# Altium PCB 飞控一体板.PcbDoc (part 1 of 2)
Units mil, origin at the board's own origin, x right, y up, seen from the top; angles counter-clockwise.
Board outline 2755.91 x 1968.5 mil, 2 copper layers (Top Layer, Bottom Layer); 100 components, 65 nets, 378 pads, 69 vias.
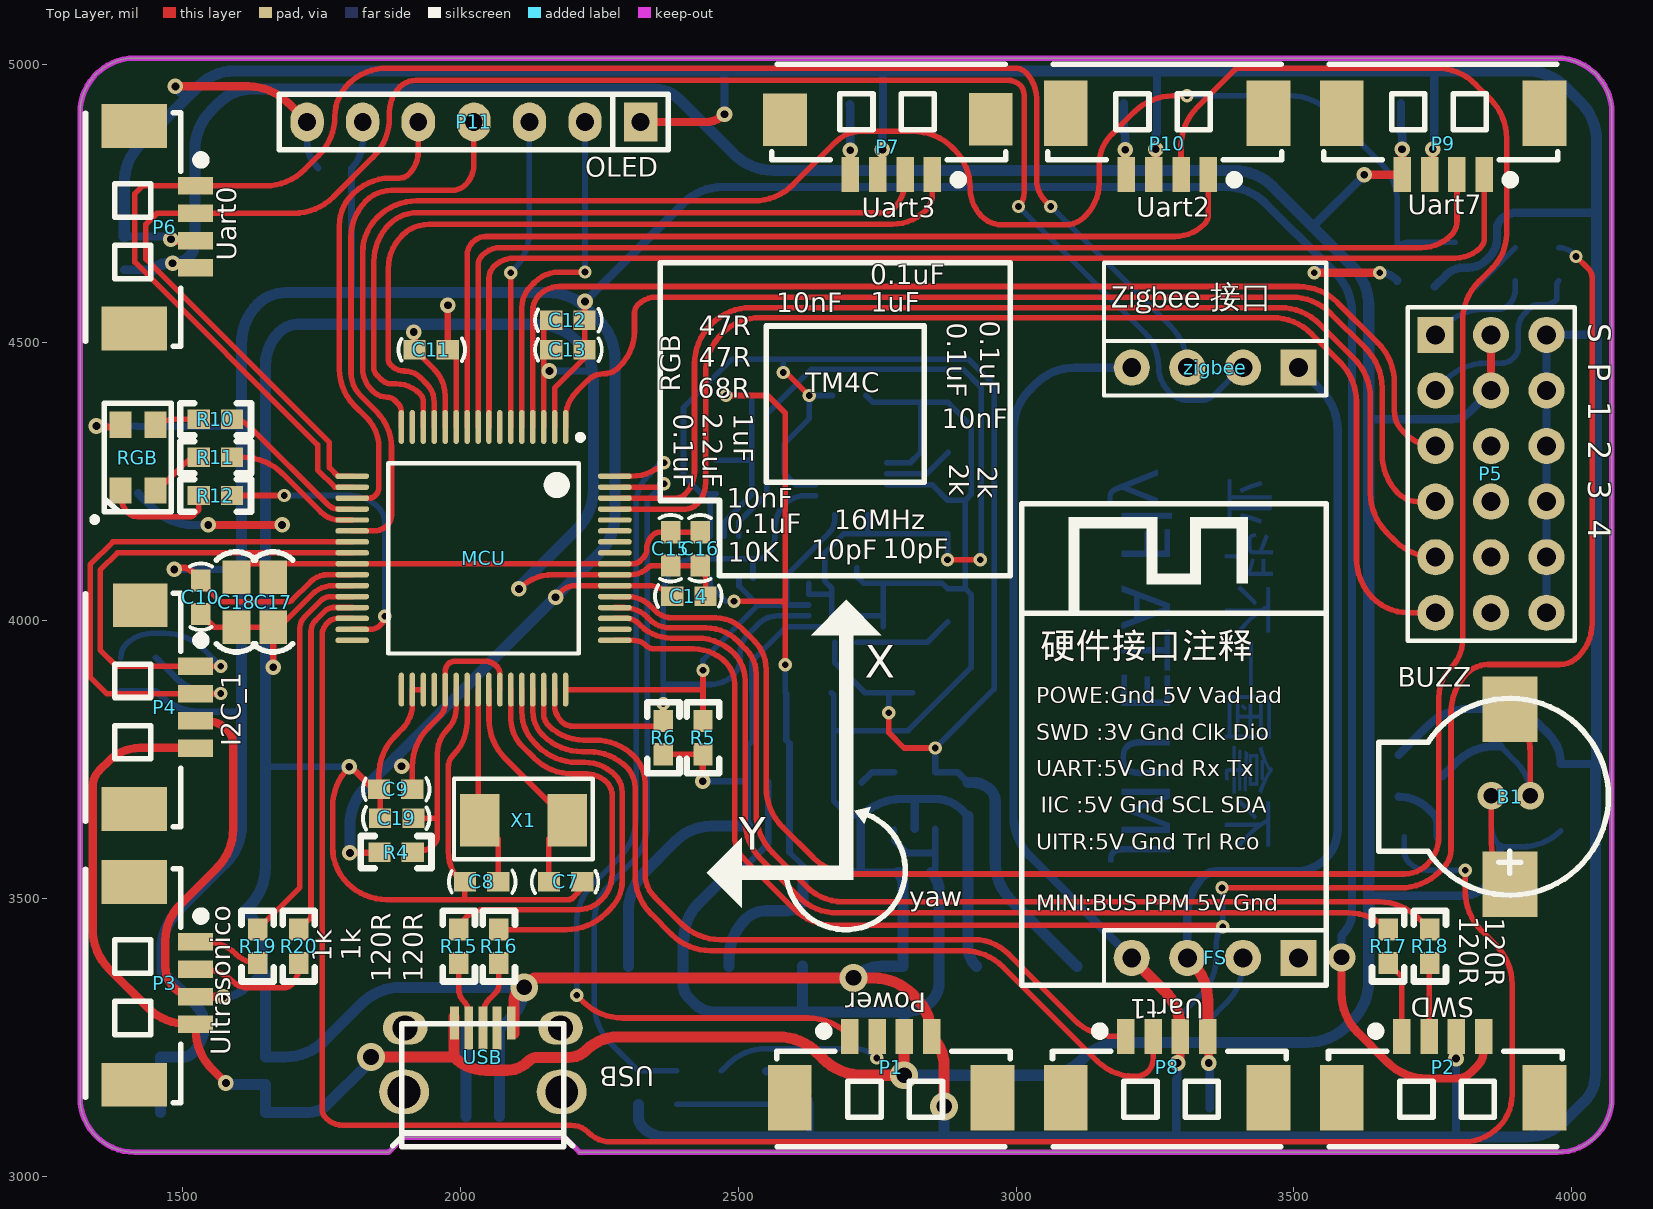
[diagram p0: Top Layer view]
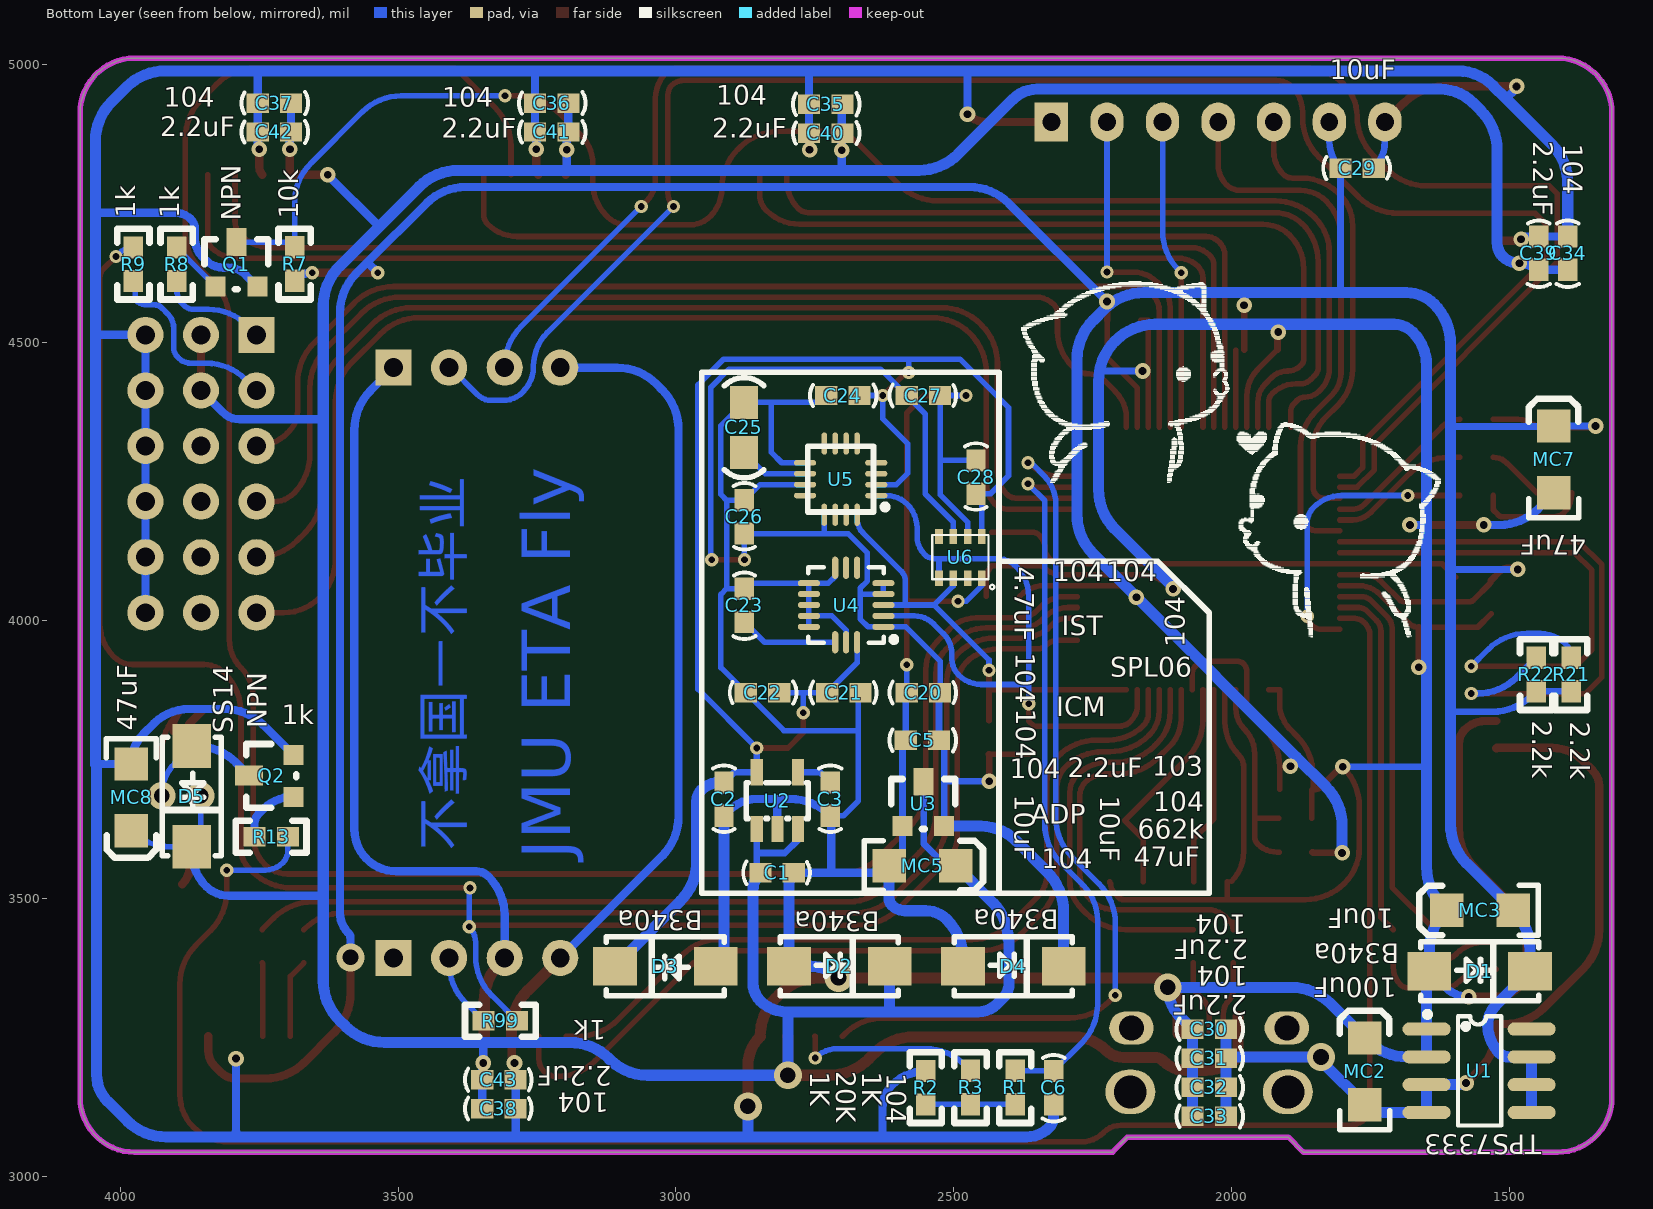
[diagram p1: Bottom Layer view, seen from below]

## Layer stack, top to bottom
Top Solder: solder mask 0.4, Solder Resist, Dk 3.5
Top Layer: signal copper 1.4
Dielectric 1: dielectric 12.6, FR-4, Dk 4.8
Bottom Layer: signal copper 1.4
Bottom Solder: solder mask 0.4, Solder Resist, Dk 3.5

## Board outline
3973.57,5011.94 cw(c3973.57,4913.52) 4072,4913.52 4072,3141.87 cw(c3973.57,3141.87) 3973.57,3043.44 2214.5,3043.44 2214.5,3044 2187.94,3070.56 1898.06,3070.56 1871.5,3044 1870.94,3043.44 1414.52,3043.44 cw(c1414.52,3141.87) 1316.09,3141.87 1316.09,4913.52 cw(c1414.52,4913.52) 1414.52,5011.94

## Design rules (kind name [scope] priority, off if disabled: settings)
Clearance [All] p1: gap=8
PolygonConnect [All] p1: connectstyle=Relief reliefconductorwidth=10 reliefentries=4 polygonreliefangle="90 Angle" airgapwidth=10
RoutingVias [All] p1: holewidth=28 width=50 viastyle="Through Hole" minholewidth=12 minwidth=24 maxholewidth=28 maxwidth=50
SolderMaskExpansion [All] p1: expansion=4
Width [All] p1: maxlimit=50 minlimit=10 preferedwidth=10 minimp=50.000000 maximp=50.000000 favimp=50.000000
30 further rules are at their usual default settings.

## Components (designator, comment, footprint, x,y, rotation, side; value= is the part's Value field where it differs from the comment)
B1 "BUZZ" MLT-9032 3888.5,3683 r270 top locked
C1 "104" 0603C 2885.05,3264.48 r0 bottom
C2 "10uF" 0603C 3195.55,3745.68 r90 bottom
C3 "10uF" 0603C 3004.25,3745.68 r90 bottom
C5 "104" 0603C 2489.75,4066.68 r180 bottom
C6 "104" 0603C 2038.5,3092.5 r270 bottom
C7 "10pF" 0603C 2122.5,3248 r180 top
C8 "10pF" 0603C 2105.5,3812 r0 top
C9 "10nF" 0603C 1950.75,3978.38 r0 top
C10 "0.1uF" 0603C 1251.5,4109 r90 top
C11 "10nF" 0603C 2014.75,4769.38 r0 top
C12 "0.1uF" 0603C 2260.75,4822.38 r0 top
C13 "1uF" 0603C 2260.75,4769.38 r0 top
C14 "10nF" 0603C 2344.5,3762 r180 top
C15 "0.1uF" 0603C 2096.5,4196 r90 top
C16 "0.1uF" 0603C 2149.5,4196 r90 top
C17 "1uF" 0805C 1663.5,3993 r90 top
C18 "2.2uF" 0805C 1597.5,3993 r90 top
C19 "0.1uF" 0603C 1818.75,3362.38 r180 top
C20 "103" 0603C 2621.75,3588.38 r0 bottom
C21 "2.2uF" 0603C 2764.75,3588.38 r0 bottom
C22 "104" 0603C 2777.25,4152.38 r180 bottom
C23 "104" 0603C 2594.75,3960.38 r270 bottom
C24 "104" 0603C 2632.75,4686.88 r180 bottom
C25 "4.7uF" 0805C 2877.75,4387.38 r270 bottom
C26 "104" 0603C 3158.75,4253.47 r90 bottom
C27 "104" 0603C 2621.75,4122.88 r0 bottom
C28 "104" 0603C 2742.15,4325.18 r90 bottom
C29 "10uF" 0603C 1841.5,4532 r0 bottom
C30 "104" 0603C 1973.5,3546.75 r180 bottom
C31 "2.2uF" 0603C 1973.5,3494.5 r180 bottom
C32 "104" 0603C 1973.5,3442.25 r180 bottom
C33 "2.2uF" 0603C 1973.5,3390 r180 bottom
C34 "104" 0603C 1113.5,4594 r270 bottom
C35 "104" 0603C 2663.5,5211 r180 bottom
C36 "104" 0603C 3156.5,5213 r180 bottom
C37 "104" 0603C 3655.5,5213 r180 bottom
C38 "104" 0603C 3385.5,2840 r0 bottom
C39 "2.2uF" 0603C 1165.5,4594 r270 bottom
C40 "2.2uF" 0603C 2663.5,5159 r180 bottom
C41 "2.2uF" 0603C 3156.5,5161 r180 bottom
C42 "2.2uF" 0603C 3655.5,5161 r180 bottom
C43 "2.2uF" 0603C 3385.5,2892 r0 bottom
D1 "B340a" SMA/DO-214AC 1637.5,3368 r180 bottom
D2 "B340a" SMA/DO-214AC 2789.55,3377 r180 bottom
D3 "B340a" SMA/DO-214AC 2935.5,3379 r0 bottom
D4 "B340a" SMA/DO-214AC 2476.5,3377 r180 bottom
D5 "SS14" SMA/DO-214AC 3872.13,3767.1 r270 bottom
FS "富斯mini" FSmini 3302.5,3659 r0 top locked
MC2 "100uF" TAJ-A 1760.5,3249 r90 bottom
MC3 "10uF" TAJ-A 1613.5,3479 r0 bottom
MC5 "47uF" TAJ-A 2496.45,3558.98 r180 bottom
MC7 "47uF" TAJ-A 1420.5,4350 r90 bottom
MC8 "47uF" TAJ-A 3980.13,3622 r270 bottom
MCU "TM4C" LQFP64 2041.75,4112.38 r270 top locked
P1 "Power" MX1.25WS-4P#1 2775.14,3141.35 r0 top locked
P2 "SWD" MX1.25WS-4P#1 3768.14,3141.35 r0 top locked
P3 "Ultrasonico" MX1.25WS-4P#1 1413.5,3347.36 r270 top locked
P4 "I2C_1" MX1.25WS-4P#2 1413.5,3843.5 r270 top locked
P5 "Header 6x3" "Hearder 6x3" 3754.44,4514 r0 top locked
P6 "Uart0" MX1.25WS-4P#1 1413.5,4707.64 r270 top locked
P7 "Uart3" MX1.25WS-4P#3 2775.14,4913 r180 top locked
P8 "Uart1" MX1.25WS-4P#1 3271.64,3141.35 r0 top locked
P9 "Uart7" MX1.25WS-4P#1 3768.14,4913 r180 top
P10 "Uart2" MX1.25WS-4P#1 3271.64,4913 r180 top locked
P11 "OLED" Fe-HDR1X7/2.54-S 2324.5,4897 r270 top
Q1 "NPN" SOT-23 3825.67,4606.16 r180 bottom
Q2 "NPN" SOT-23 3693.29,3685.52 r90 bottom
R1 "1K" 0603R 2388.57,3188 r270 bottom
R2 "1K" 0603R 2551.5,3131.43 r90 bottom
R3 "20K" 0603R 2469.03,3188 r270 bottom
R4 "10K" 0603R 1912.75,3582.38 r180 top
R5 "2k" 0603R 2437.75,3817.38 r270 top
R6 "2k" 0603R 2366.35,3817.38 r270 top
R7 "10k" 0603R 3685.07,4669.57 r270 bottom
R8 "1k" 0603R 3899.18,4613 r90 bottom
R9 "1k" 0603R 3977.18,4613 r90 bottom
R10 "47R" 0603R 1531.5,4363 r0 top
R11 "47R" 0603R 1531.5,4294.5 r0 top
R12 "68R" 0603R 1531.5,4226 r0 top
R13 "1k" 0603R 3700.13,3610 r0 bottom
R15 "120R" 0603R 1996.5,3386 r90 top
R16 "120R" 0603R 2068.5,3386 r90 top
R17 "120R" 0603R 3668.5,3386 r90 top
R18 "120R" 0603R 3743.5,3386 r90 top
R19 "1k" 0603R 1634.5,3386 r90 top
R20 "1k" 0603R 1708.5,3386 r90 top
R21 "2.2k" 0603R 1388.5,3931 r270 bottom
R22 "2.2k" 0603R 1451.5,3931 r270 bottom
R99 "1k" 0603R 3344,3281 r180 bottom
RGB "RGB" RGB-3528 1450.5,4351 r270 top locked
U1 "TPS7333" SOP-8 1648.01,3264 r180 bottom
U2 "ADP" SOT-23-5 2816.65,3671.88 r180 bottom
U3 "662k" SOT-23 2589.93,3635.24 r180 bottom
U4 "ICM" LGA-16 2691.75,4027.38 r0 bottom locked
U5 "IST" LGA16 2706.53,4250.5 r0 bottom locked
U6 "SPL06" LGA8 2484.07,4115.67 r270 bottom locked
USB "USB" Micro-USB(牛角) 1900.27,3268.59 r0 top locked
X1 "16MHz" SMD5032 2113.75,3640.38 r180 top
zigbee "zigbee" zigbee 3263.13,4208.83 r180 top

## Footprints (in the part's own frame and the unit in brackets; to place one, negate y for a bottom-side part, rotate by r counter-clockwise, add the part's x,y. Pads: shape width x height; smd on the part's side, far side on the other; paste and mask are expansions set on the pad)
0603C [mil]
  rect 40x35 smd: 1(-97,-282) 2(-37,-282)
  silkscreen extent -126,-302 -6,-262, body extent -117,-299 -14,-260, height 35
0603R [mil]
  rect 40x35 smd: 1(-2,-1) 2(58,-1)
  silkscreen extent -35,-30 92,28, body extent -5,-17 61,15, height 22
0805C [mil]
  rect 60x50 smd: 1(-5,0) 2(85,0)
  silkscreen extent -50,-35 131,36, body extent -16,-26 102,29, height 37
Fe-HDR1X7/2.54-S [mil]
  rect 70x60 hole 32: 1(0,0)
  oval 70x60 hole 32: 2(0,-100) 3(0,-200) 4(0,-300) 5(0,-400) 6(0,-500) 7(0,-600)
  silkscreen extent -50,-650 50,50, body extent -49,-655 49,55, height 126
FSmini [mil]
  rect 65x65 hole 34: 1(205.61,-265.86)
  round 65 hole 34: 2(105.61,-265.86) 3(5.61,-265.86) 4(-94.39,-265.86)
  silkscreen extent -292,-316 256,551, body extent -147,-314 253,-214, height 336
"Hearder 6x3" [mil]
  rect 65x65 hole 34: 1(0,0)
  round 65 hole 34: 2(100,0) 3(0,-100) 4(100,-100) 5(0,-200) 6(100,-200) 7(0,-300) 8(100,-300) 9(0,-400) 10(100,-400) 11(0,-500) 12(100,-500) 13(200,0) 14(200,-100) 15(200,-200) 16(200,-300) 17(200,-400) 18(200,-500)
  silkscreen extent -50,-550 251,50, body extent -48,-554 251,48, height 338
LGA8 [mil]
  rect 27.56x13.8 smd: 1(39.31,34.55) 2(39.31,8.95) 3(39.31,-17.05) 4(39.31,-42.66) 5(-35.69,-42.66) 6(-35.69,-17.05) 7(-35.69,8.95) 8(-35.69,34.55)
  silkscreen extent -38,-55 59,57
LGA16 [mil]
  oval 40x9.84 smd: 1(-66.99,25.66) 2(-66.99,5.97) 3(-66.99,-13.71) 4(-66.99,-33.4) 9(61.12,-33.4) 10(61.12,-13.71) 11(61.12,5.97) 12(61.12,25.66)
  oval 9.84x40 smd: 5(-32.47,-67.93) 6(-12.78,-67.93) 7(6.9,-67.93) 8(26.59,-67.93) 13(26.59,60.18) 14(6.9,60.18) 15(-12.78,60.18) 16(-32.47,60.18)
  silkscreen extent -88,-63 56,55
LGA-16 [mil]
  oval 40x11.02 smd: 1(-65.02,38.76) 2(-65.02,19.07) 3(-65.02,-0.61) 4(-65.02,-20.3) 5(-65.02,-39.98) 9(69.02,-39.98) 10(69.02,-20.3) 11(69.02,-0.61) 12(69.02,19.07) 13(69.02,38.76)
  oval 11.02x40 smd: 6(-17.68,-67.63) 7(2,-67.63) 8(21.69,-67.63) 14(21.69,66.41) 15(2,66.41) 16(-17.68,66.41)
  silkscreen extent -89,-69 70,67
LQFP64 [mm]
  oval 1.55x0.25 smd: 1(-5.992,3.754) 2(-5.992,3.254) 3(-5.992,2.753) 4(-5.992,2.254) 5(-5.992,1.754) 6(-5.992,1.254) 7(-5.992,0.754) 8(-5.992,0.253) 9(-5.992,-0.246) 10(-5.992,-0.746) 11(-5.992,-1.246) 12(-5.992,-1.746) 13(-5.992,-2.247) 14(-5.992,-2.746) 15(-5.992,-3.246) 16(-5.992,-3.747) 33(6.008,-3.746) 34(6.008,-3.246) 35(6.008,-2.746) 36(6.008,-2.247) 37(6.008,-1.746) 38(6.008,-1.246) 39(6.008,-0.746) 40(6.008,-0.246) 41(6.008,0.253) 42(6.008,0.754) 43(6.008,1.254) 44(6.008,1.754) 45(6.008,2.254) 46(6.008,2.753) 47(6.008,3.254) 48(6.008,3.754)
  oval 0.25x1.55 smd: 17(-3.742,-5.997) 18(-3.242,-5.997) 19(-2.742,-5.997) 20(-2.242,-5.997) 21(-1.742,-5.997) 22(-1.242,-5.997) 23(-0.742,-5.997) 24(-0.242,-5.997) 25(0.258,-5.997) 26(0.758,-5.997) 27(1.258,-5.997) 28(1.758,-5.997) 29(2.258,-5.997) 30(2.758,-5.997) 31(3.258,-5.997) 32(3.758,-5.997) 49(3.758,6.004) 50(3.258,6.004) 51(2.758,6.004) 52(2.258,6.004) 53(1.758,6.004) 54(1.258,6.004) 55(0.758,6.004) 56(0.258,6.004) 57(-0.242,6.004) 58(-0.742,6.004) 59(-1.242,6.004) 60(-1.742,6.004) 61(-2.242,6.004) 62(-2.742,6.004) 63(-3.242,6.004) 64(-3.742,6.004)
  silkscreen extent -5.64,-4.35 4.36,4.55, body extent -6.01,-6.01 6.01,6.01, height 1.5
Micro-USB(牛角) [mm]
  rect 0.4x1.5 smd: 1(2.269,0.184) 5(4.869,0.184)
  rect 0.4x1.95 smd: 2(2.919,-0.04) 3(3.569,-0.04) 4(4.219,-0.04)
  oval 2.032x1.524 hole 1.143: 6(7.119,-0.04) 7(0.019,-0.04)
  oval 2.286x2.032 hole 1.5: 8(-0.031,-2.961) 9(7.169,-2.961)
  silkscreen extent -0.55,-5.47 7.68,0.16, body extent -0.5,-5.51 7.7,-0.08, height 0.23
MLT-9032 [mm]
  rect 3x2.5 smd: 1(4,0) 2(-4,0)
  silkscreen extent -4.5,-6 4.5,4.5, body extent -5,-6 5,4.5, height 3.21
MX1.25WS-4P#1 [mm]
  rect 2x3 smd: 0(-4.632,0) 0(4.632,0)
  rect 0.8x1.6 smd: 1(-1.889,2.811) 2(-0.639,2.811) 3(0.611,2.811) 4(1.861,2.811)
  silkscreen extent -5.23,-2.23 5.45,3.25, body extent -5.15,-1.96 5,3.23, height 3.4
MX1.25WS-4P#2 [mm]
  rect 2x2.5 smd: 0(-4.678,0.276)
  rect 2x3 smd: 0(4.632,0)
  rect 0.8x1.6 smd: 1(-1.889,2.811) 2(-0.639,2.811) 3(0.611,2.811) 4(1.861,2.811)
  silkscreen extent -5.23,-2.23 5.45,3.25, body extent -5.15,-1.96 5,3.23, height 3.4
MX1.25WS-4P#3 [mm]
  rect 2x2.413 smd: 0(-4.556,0.279) 0(4.842,0.305)
  rect 0.8x1.6 smd: 1(-1.889,2.811) 2(-0.639,2.811) 3(0.611,2.811) 4(1.861,2.811)
  silkscreen extent -5.23,-2.23 5.45,3.25, body extent -5.15,-1.96 5,3.23, height 3.4
RGB-3528 [mm]
  rect 1.2x1 smd: 1(-0.029,0.03) 2(-0.029,-1.57) 3(2.971,0.03) 4(2.971,-1.57)
  silkscreen extent -1.01,-2.87 4.42,0.76, body extent -0.32,-2.2 3.18,0.6, height 1.9
SMA/DO-214AC [mm]
  rect 2x1.75 smd: 1(-0.178,0.025) 2(4.422,0.025)
  silkscreen extent -0.58,-1.32 4.82,1.38, body extent -0.38,-1.32 4.73,1.35, height 2.12
SMD5032 [mm] "5032"
  rect 1.8x2.4 smd: 1(-2,0) 2(2,0)
  silkscreen extent -3.18,-1.91 3.18,1.78, body extent -2.5,-1.6 2.5,1.6, height 1.3
SOP-8 [mm]
  oval 2.2x0.6 smd: 1(-0.038,0.025) 2(-0.038,-1.245) 3(-0.038,-2.515) 4(-0.038,-3.785) 5(4.762,-3.785) 6(4.762,-2.515) 7(4.762,-1.245) 8(4.762,0.025)
  silkscreen extent -0.13,-4.38 3.37,0.82, body extent -0.62,-4.33 5.38,0.58, height 1.7
SOT-23 [mil]
  rect 36x36 smd: 1(-2.52,-5.16) 2(72.48,-5.16)
  rect 36x50 smd: 3(35.48,74.84)
  silkscreen extent -23,-10 92,80, body extent -22,-18 92,92, height 47
SOT-23-5 [mil]
  rect 21.7x47.2 smd: 1(-38,-46.99) 2(-1,-46.99) 3(36,-46.99) 4(36,55.01) 5(-38,55.01)
  silkscreen extent -57,-28 55,36
TAJ-A [mil]
  rect 60x60 smd: 1(0,0) 2(-120,0)
  silkscreen extent -165,-45 49,45, body extent -125,-31 9,32, height 65
zigbee [mil]
  rect 65x65 hole 34: 1(-244.98,-246.17)
  round 65 hole 34: 2(-144.98,-246.17) 3(-44.98,-246.17) 4(55.02,-246.17)
  silkscreen extent -295,-435 105,-196, body extent -292,-294 108,-194, height 336

## Part data
B1: library part 蜂鸣器
C1 C2 C3 C5 C6 C7 C8 C9 C10 C11 C12 C13 C14 C15 C16 C17 C18 C19 C20 C21 C22 C23 C24 C25 C26 C27 C28 C29 C30 C31 C32 C33 C34 C35 C36 C37 C38 C39 C40 C41 C42 C43: library part Cap1, "无极贴片电容"
D1 D2 D3 D4 D5: library part Diode, "二极管"
MC2 MC3 MC5 MC7 MC8: library part "Pol Cap", "极性贴片电容"
MCU: library part TM4C123GH6PM, "MCU"
P1 P2 P3 P4 P6 P7 P8 P9 P10: library part MX1.25-4P
P11: library part "Female HDR1X7"
Q1 Q2: "NPN三极管"
R1 R2 R3 R4 R5 R6 R7 R8 R9 R10 R11 R12 R13 R15 R16 R17 R18 R19 R20 R21 R22 R99: library part Res, "电阻"
U1: "3.3V电源芯片"
U2: library part ADP150
U3: library part XC6206
U4: library part ICM-20602
U5: library part IST8310
USB: library part micro-USB, "USB接口"
X1: library part XTAL, "晶振"

## Via types
v1: diameter 28, hole 14, Top Layer to Bottom Layer, tented both sides, 31 vias
v2: diameter 24, hole 12, Top Layer to Bottom Layer, tented both sides, 30 vias
v3: diameter 50, hole 28, Top Layer to Bottom Layer, tented both sides, 8 vias

## Nets (pads, with @x,y where several pads share a name; then routed paths per layer and width w, separated by ;. In a path a pad name is that pad's centre, name@x,y a point inside that pad or via, vN(x,y) a via of type N, cw(c..) or ccw(c..) an arc to the next point about the centre after c; other vN are vias at no path point)
3.3V_1: C9.2 C10.2 C11.2 C12.2 C13.2 C14.2 C29.2 D1.2 MC3.2 MC7.1 MCU.2 MCU.11 MCU.26 MCU.37 MCU.42 MCU.54 P2.4 P11.6 R4.2 R7.2 R21.2 R22.2 RGB.2 U1.5 U1.6 U1.7 | length 9275.5
  Top Layer w10: C10.2@1533.5,4072 ccw(c1541.67,4072) C10.2@1535.89,4066.23 ; C10.2@1535.89,4066.22 1565.31,4036.81 ccw(c1572.09,4043.59) 1572.09,4034 1687.19,4034 ccw(c1687.19,4061.31) 1696.79,4035.74 1730.77,4069.73 cw(c1761.66,4038.84) 1761.66,4082.52 MCU.26@1805.67,4082.52 ; v1(1894.5,3738) 1910.92,3738 cw(c1910.92,3734) 1913.75,3736.83 ; C9.2@1913.75,3696.38 1913.75,3736.83 ; MCU.11@1992.67,4348.27 1992.67,4486.3 C11.2@1992.75,4486.38 ; MCU.42@2071.41,3875.83 2071.41,3903.72 ccw(c2051.22,3903.72) 2065.5,3918 ccw(c2043.77,3896.27) 2043.77,3927 1990.57,3927 ccw(c1990.57,3909.93) 1978.5,3922 ccw(c1991.8,3908.7) 1972.99,3908.7 MCU.37@1972.99,3875.83 1972.99,3850.91 cw(c1940.59,3850.91) 1963.5,3828 1943.04,3807.54 ccw(c2013.75,3736.83) 1913.75,3736.83 ; MCU.2@2169.84,4348.27 2169.84,4418.34 2223.75,4472.25 C13.2@2223.75,4487.38 C12.2@2223.75,4540.38 ; v1(2171.5,4042) 2182.32,4052.82 ; 2182.33,4052.82 cw(c2206.5,4028.65) 2206.5,4062.84 MCU.54@2278.11,4062.84 2336.02,4062.84 cw(c2336.02,3998.52) C14.2@2381.5,4044
  Top Layer w12: v1(1345.5,4350) ccw(c1349.99,4354.49) 1349.99,4348.14 RGB.2@1388.69,4348.14 ; v1(1485.5,4092) cw(c1492.74,4084.76) 1492.74,4095 1501.5,4095 cw(c1501.5,4073.27) 1516.86,4088.64 C10.2@1533.5,4072 ; v1(1801.5,3582) 1851.42,3582 ccw(c1851.42,3586.7) R4.2@1854.75,3583.38 ; C11.2@1977.75,4487.38 v1(1977.75,4567.38) ; C12.2@2223.75,4540.38 2223.75,4572.19 cw(c2226.31,4572.19) v1(2224.5,4574)
  Top Layer w15: v2(3536.5,4626) v2(3654.5,4626) ; v3(3585.5,3394) 3585.5,3329.42 ccw(c3685.5,3329.42) 3614.79,3258.71 3668.21,3205.29 ccw(c3738.92,3276) 3738.92,3176 3791.5,3176 ccw(c3791.5,3214.63) 3818.81,3187.31 3829.5,3198 ccw(c3800.74,3226.76) 3841.41,3226.76 P2.4@3841.41,3252
  Bottom Layer w12: v1(1345.5,4350) 1418.09,4350 cw(c1418.09,4346.59) 1420.5,4349 1606.5,4349 ; R21.2@1389.5,3873 R22.2@1452.5,3873 1460.21,3865.29 ccw(c1530.92,3936) 1530.92,3836 1604.09,3836 cw(c1604.09,3832.59) 1606.5,3835 ; v1(1485.5,4092) 1604.09,4092 cw(c1604.09,4088.59) 1606.5,4091 ; 1802.5,4590 ccw(c1797.67,4594.83) 1804.5,4594.83 C29.2@1804.5,4814 ccw(c1756.22,4862.28) 1824.5,4862.28 P11.6@1824.5,4897 ; 1883.5,3754 1890.96,3746.54 cw(c1882.43,3738) v1(1894.5,3738) ; 1976.5,4590 cw(c1973.48,4586.98) 1977.75,4586.98
  Bottom Layer w15: v1(1977.75,4567.38) 1977.75,4586.98 ; v1(2224.5,4574) 2401.21,4750.71 cw(c2471.92,4680) 2471.92,4780 3378.08,4780 cw(c3378.08,4680) 3448.79,4750.71 3555.5,4644 ; v2(3536.5,4626) 3553.79,4643.29 cw(c3555.5,4641.59) 3555.5,4644 ; v3(3585.5,3394) 3585.5,3428.34 cw(c3599.16,3428.34) 3589.5,3438 ccw(c3553.29,3474.21) 3604.5,3474.21 3604.5,4553.58 ccw(c3504.5,4553.58) 3575.21,4624.29 3555.5,4644 ; v2(3654.5,4626) cw(c3654.5,4584.62) 3683.76,4613.88 R7.2@3686.07,4611.57
  Bottom Layer w20: U1.5@1460.52,3115 U1.6@1460.52,3165 U1.7@1460.52,3215 1501.6,3215 ccw(c1501.6,3238.9) 1518.5,3222 ccw(c1467.8,3272.7) 1539.5,3272.7 ccw(c1490.73,3272.7) 1525.22,3307.18 D1.2@1463.4,3369 1463.4,3407.48 cw(c1563.4,3407.48) 1492.69,3478.19 MC3.2@1493.5,3479 1577.21,3562.71 ccw(c1506.5,3633.42) 1606.5,3633.42 1606.5,3835 1606.5,4091 1606.5,4349 1606.5,4498.58 cw(c1706.5,4498.58) 1635.79,4569.29 cw(c1685.79,4519.29) 1685.79,4590 1802.5,4590 1976.5,4590 2158.08,4590 cw(c2158.08,4490) 2228.79,4560.71 2249.21,4540.29 cw(c2178.5,4469.58) 2278.5,4469.58 2278.5,4190.42 cw(c2178.5,4190.42) 2249.21,4119.71 v1(2171.5,4042) 1883.5,3754 1830.79,3701.29 ccw(c1901.5,3630.58) 1801.5,3630.58 v1(1801.5,3582)
3.3V_2: C2.2 C21.2 C22.2 C24.2 C28.1 D3.2 U2.5 U4.16 U5.2 U6.8 | length 2837.7
  Top Layer w10: v2(2581.15,4446.38) 2586.25,4446.38 v2(2627.75,4404.88) ; v2(2771.25,3834.38) 2771.25,3798.18 2798.75,3770.68 v2(2854.65,3770.68)
  Bottom Layer w10: U6.8@2449.53,4151.36 2449.53,4217.56 C28.1@2460.15,4228.18 2433.95,4228.18 2401.65,4260.48 2401.65,4383.18 2488.95,4470.48 2581.15,4470.48 ; v2(2581.15,4446.38) 2581.15,4470.48 ; U5.2@2639.54,4244.53 2603.49,4244.53 2583.25,4264.78 2583.25,4318.38 2627.75,4362.88 v2(2627.75,4404.88) C24.2@2669.75,4404.88 ; U4.16@2674.07,3960.97 2674.07,3924.06 C21.2@2727.75,3870.38 2772.15,3870.38 ; v2(2771.25,3834.38) 2771.25,3869.48 2772.15,3870.38 ; C22.2@2814.25,3870.38 2772.15,3870.38 ; v2(2854.65,3770.68) 2960.65,3876.68 2960.65,4423.78 2913.95,4470.48 2581.15,4470.48
  Bottom Layer w12: v2(2854.65,3770.68) U2.5@2854.65,3726.89 2895.34,3726.89 C2.2@2913.55,3708.68
  Bottom Layer w20: C2.2@2913.55,3708.68 2921.48,3708.68 cw(c2921.48,3661.98) 2954.5,3695 cw(c2935.19,3675.69) 2962.5,3675.69 2962.5,3566.52 ccw(c3062.5,3566.52) 2991.79,3495.81 D3.2@3109.6,3378
3.3V_3: C5.2 C20.1 C26.1 C27.2 D4.2 R5.2 R6.2 U3.2 U4.1 U4.4 U4.5 U5.13 U6.6 | length 2617.7
  Top Layer w10: R6.2@2365.35,3759.38 R5.2@2436.75,3759.38 ; v2(2876.75,4109.47) v2(2935.65,4109.47)
  Top Layer w12: v1(2436.5,3711) 2436.5,3759.13 R5.2@2436.75,3759.38
  Bottom Layer w10: U6.6@2501.13,4151.36 2501.13,4177.66 2551.45,4227.98 2551.45,4371.58 C27.2@2584.75,4404.88 2632.35,4452.48 2904.55,4452.48 2937.25,4419.78 2937.25,4111.07 v2(2935.65,4109.47) ; C5.2@2517.45,3775.38 C5.2@2526.75,3784.68 ; C20.1@2526.75,3868.38 C20.1@2524.75,3870.38 2524.75,3926.98 2586.39,3988.62 U4.1@2626.73,3988.62 2653.99,3988.62 2668.55,4003.18 2668.55,4046.88 ; U4.5@2626.73,4067.36 U4.4@2626.73,4047.68 2667.75,4047.68 2668.55,4046.88 ; U5.13@2733.12,4190.32 2733.12,4156.85 2732.75,4156.47 ; v2(2876.75,4109.47) C26.1@2876.75,4156.47 2732.75,4156.47 ; 2668.55,4046.88 2668.55,4058.18 2655.56,4071.17 2655.56,4121.79 2690.25,4156.47 2732.75,4156.47
  Bottom Layer w12: v1(2436.5,3711) 2512.62,3711 cw(c2512.62,3704.17) 2517.45,3709 ; U3.2@2517.45,3630.08 2517.45,3709 ; C5.2@2517.45,3775.38 2517.45,3709 ; C5.2@2526.75,3784.68 C20.1@2526.75,3868.38
  Bottom Layer w20: D4.2@2302.4,3378 2302.4,3476.48 cw(c2402.4,3476.48) 2331.69,3547.19 2388.38,3603.88 cw(c2451.63,3540.63) 2451.63,3630.08 U3.2@2517.45,3630.08
5V: B1.1 C1.2 C30.2 C31.2 C32.2 C33.2 C34.2 C35.2 C36.2 C37.2 C38.2 C39.2 C40.2 C41.2 C42.2 C43.2 D2.2 D5.2 FS.3 MC2.2 MC5.1 MC8.1 P1.3 P3.4 P4.4 P5.2 P5.4 P6.4 P7.4 P8.4 P9.4 P10.4 U1.3 U1.4 U2.1 U2.3 U3.3 USB.1 zigbee.1 | length 12299.9
  Top Layer w10: v3(3855.13,3685) 3855.13,3600.31 ccw(c3955.13,3600.31) 3884.42,3529.6 B1.1@3888.5,3525.52
  Top Layer w15: P4.4@1524.15,3770.22 ccw(c1522.28,3768.35) 1522.28,3771 1423.5,3771 ccw(c1423.5,3693.75) 1368.87,3748.37 1350.5,3730 ccw(c1378.4,3702.1) 1338.94,3702.1 1338.94,3443.98 ccw(c1438.94,3443.98) 1368.23,3373.27 1438.12,3303.38 ccw(c1508.83,3374.09) 1508.83,3274.09 P3.4@1524.15,3274.09 1524.15,3263.77 ccw(c1624.15,3263.77) 1553.44,3193.06 v1(1578.5,3168) ; v1(3196.5,4847) 3196.5,4806.84 ccw(c3202.86,4806.84) P10.4@3198.36,4802.35 ; P8.4@3344.91,3252 cw(c3341.08,3248.17) 3346.5,3248.17 v1(3346.5,3204) ; v1(3626.5,4802) 3694.52,4802 P9.4@3694.86,4802.35 3694.5,4802.71 v1(3694.5,4848) ; P5.4@3854.44,4414 P5.2@3854.44,4514 ; B1.1@3874.5,3559.32 ccw(c3922.3,3559.32) B1.1@3888.5,3525.52
  Top Layer w20: v3@1837.67,3214.83 v3(1839.5,3214.83) 1988.59,3214.83 ; USB.1@1988.59,3288 1988.59,3214.83 ; P1.3@2799.2,3252 ccw(c2800.89,3250.31) 2798.5,3250.31 v3(2798.5,3182) 2723.92,3182 cw(c2723.92,3282) 2653.21,3211.29 2642.79,3221.71 ccw(c2572.08,3151) 2572.08,3251 2284.44,3251 ccw(c2284.44,3169.06) 2226.5,3227 cw(c2195.12,3258.38) 2195.12,3214 2139.4,3214 ccw(c2139.4,3190.1) 2122.5,3207 cw(c2083.87,3245.63) 2083.87,3191 2046.12,3191 cw(c2046.12,3272.37) 1988.59,3214.83 ; FS.3@3308.11,3393.14 3315.62,3385.62 cw(c3244.91,3314.91) 3344.91,3314.91 P8.4@3344.91,3252
  Bottom Layer w10: MC5.1@2496.45,3558.98 MC5.1@2514.45,3558.98 ; U2.3@2780.65,3605.28 U2.3@2780.65,3624.89 ; v3(3855.13,3685) 3855.13,3631.63 ccw(c3909.76,3631.63) D5.2@3871.13,3593 3910.17,3593.02 ccw(c3910.17,3691.96) MC8.1@3980.13,3622
  Bottom Layer w12: MC5.1@2514.45,3558.98 2554.45,3598.98 U3.3@2554.45,3710.08 ; U2.3@2780.65,3605.28 2804.25,3581.68 2854.65,3581.68 ; C1.2@2854.65,3553.08 2854.65,3581.68 ; U2.1@2854.65,3624.89 2854.65,3581.68
  Bottom Layer w15: C34.2@1395.5,4631 C39.2@1447.5,4631 ; C35.2@2700.5,4929 cw(c2698.09,4926.59) 2701.5,4926.59 v1(2701.5,4846) 2701.5,4812.41 ccw(c2704.91,4812.41) 2702.5,4810 ; C36.2@3193.5,4931 C41.2@3193.5,4879 cw(c3186.26,4871.76) 3196.5,4871.76 v1(3196.5,4847) 3196.5,4810 ; FS.3@3308.11,3393.14 3308.11,3469.18 cw(c3408.11,3469.18) 3337.4,3539.9 cw(c3359.38,3517.92) 3359.38,3549 3503.39,3549 ccw(c3503.39,3624.11) 3556.5,3571 ccw(c3503.39,3624.11) 3578.5,3624.11 3578.5,4343.18 ccw(c3478.5,4343.18) 3549.21,4413.9 zigbee.1@3508.11,4455 ; 3346.5,3241 v1(3346.5,3204) cw(c3341.67,3199.17) 3348.5,3199.17 C43.2@3348.5,3174 C38.2@3348.5,3122 ; 3534,4708.5 cw(c3536.41,4708.5) 3534.71,4710.21 v1(3626.5,4802) ; 3634.5,3502 cw(c3641.74,3494.76) 3641.74,3505 3804.46,3505 ccw(c3804.46,3563.04) 3845.5,3522 ccw(c3783.62,3583.88) 3871.13,3583.88 D5.2@3871.13,3593 ; 3634.5,4362 3785.01,4362 ccw(c3785.01,4404.08) 3814.77,4374.33 ; C37.2@3692.5,4931 C42.2@3692.5,4879 cw(c3687.67,4874.17) 3694.5,4874.17 v1(3694.5,4848) ; 3814.77,4374.32 P5.4@3854.44,4414
  Bottom Layer w20: C39.2@1447.5,4631 cw(c1476.47,4602.03) 1476.47,4643 v1(1482.5,4643) 1483.53,4643 ccw(c1483.53,4683.97) 1512.5,4655 ccw(c1488.36,4679.14) 1522.5,4679.14 1522.5,4846.58 cw(c1622.5,4846.58) 1551.79,4917.29 1566.16,4931.66 cw(c1624.92,4872.9) 1624.92,4956 2350.04,4956 cw(c2350.04,4894.54) 2393.5,4938 2492.21,4839.29 ccw(c2562.92,4910) 2562.92,4810 2702.5,4810 3196.5,4810 3391.08,4810 cw(c3391.08,4710) 3461.79,4780.71 3534,4708.5 3605.21,4637.29 cw(c3534.5,4566.58) 3634.5,4566.58 3634.5,4362 3634.5,3502 3634.5,3351.42 cw(c3534.5,3351.42) 3605.21,3280.71 3594.79,3270.29 cw(c3524.08,3341) 3524.08,3241 3346.5,3241 3190.92,3241 ccw(c3190.92,3141) 3120.21,3211.71 3118.38,3209.88 cw(c3051.08,3277.17) 3051.08,3182 v3(2798.5,3182) 2798.5,3291.86 cw(c2804.36,3291.86) 2800.22,3296 ; v1(1578.5,3168) ccw(c1585.74,3175.24) 1585.74,3165 U1.3@1649.5,3165 U1.4@1649.5,3115 1726.7,3115 ccw(c1726.7,3162.8) MC2.2@1760.5,3129 1834.67,3203.17 ccw(c1823,3214.83) v3(1839.5,3214.83) 2004.87,3214.83 cw(c2004.87,3206.87) C31.2@2010.5,3212.5 ; C33.2@2010.5,3108 C32.2@2010.5,3160.25 C31.2@2010.5,3212.5 ; C30.2@2010.5,3264.75 C31.2@2010.5,3212.5 ; MC5.1@2496.45,3558.98 2429.39,3491.92 ccw(c2494.31,3427) 2402.5,3427 ccw(c2407.33,3422.17) 2400.5,3422.17 2400.5,3348 ccw(c2439.13,3348) 2411.81,3320.69 2422.5,3310 ccw(c2456.3,3343.8) 2456.3,3296 2614.5,3296 ; D2.2@2615.45,3378 2615.45,3298.29 cw(c2612.21,3298.29) 2614.5,3296 ; C1.2@2848.05,3546.48 cw(c2815.58,3514.01) 2861.5,3514.01 2861.5,3347.38 cw(c2817.12,3347.38) 2848.5,3316 cw(c2800.22,3364.28) 2800.22,3296 ; 2614.5,3296 2800.22,3296
BAT_ADC: C6.1 MCU.63 R1.1 | length 1288.6
  Top Layer w10: MCU.63@2278.11,4240 2360.5,4240 v2(2366.5,4246)
  Bottom Layer w10: v2(2366.5,4246) 2336.5,4216 2336.5,3634.42 cw(c2236.5,3634.42) 2307.21,3563.71 2267.66,3524.16 ccw(c2330.83,3461) 2241.5,3461 2241.5,3309.92 ccw(c2341.5,3309.92) 2270.79,3239.21 C6.1@2320.5,3189.5 cw(c2321.71,3188.29) 2321.71,3190 R1.1@2389.57,3190
BUZZER: MCU.30 R13.1 | length 3719.5
  Top Layer w10: MCU.30@1805.67,4003.78 1778.88,4003.78 ccw(c1778.88,3980.62) 1762.5,3997 1759.99,3994.49 ccw(c1780.47,3974) 1751.5,3974 1751.5,3120.46 ccw(c1771.91,3120.46) 1757.48,3106.02 1759.5,3104 ccw(c1788.47,3132.97) 1788.47,3092 2199.12,3092 cw(c2199.12,3047.62) 2230.5,3079 ccw(c2271.54,3120.04) 2271.54,3062 3803.67,3062 ccw(c3803.67,3153.33) 3868.25,3088.75 ccw(c3809.7,3147.3) 3892.5,3147.3 3892.5,3345.58 ccw(c3792.5,3345.58) 3863.21,3416.29 3837.42,3442.08 cw(c3908.13,3512.79) 3808.13,3512.79 v2(3808.13,3551)
  Bottom Layer w10: R13.1@3698.13,3611 3698.13,3586.62 ccw(c3730.12,3586.62) 3707.5,3564 ccw(c3738.88,3595.38) 3738.88,3551 v2(3808.13,3551)
CURRENT_ADC: MCU.64 P1.1 | length 1622
  Top Layer w10: v2(2209.5,3326) 2221.21,3314.29 ccw(c2291.92,3385) 2291.92,3285 2626.35,3285 cw(c2626.35,3185) 2697.06,3255.71 P1.1@2700.78,3252 ; MCU.64@2278.11,4259.69 2307.81,4259.69 ccw(c2307.81,4342.69) v2(2366.5,4284)
  Bottom Layer w10: v2(2209.5,3326) 2209.5,3455.58 cw(c2309.5,3455.58) 2238.79,3526.29 2287.21,3574.71 ccw(c2216.5,3645.42) 2316.5,3645.42 2316.5,4209.44 cw(c2387.86,4209.44) 2337.4,4259.9 2357.96,4280.46 cw(c2366.5,4271.93) v2(2366.5,4284)